# Altium PCB Turbo.PcbDoc (part 1 of 3) (continued)
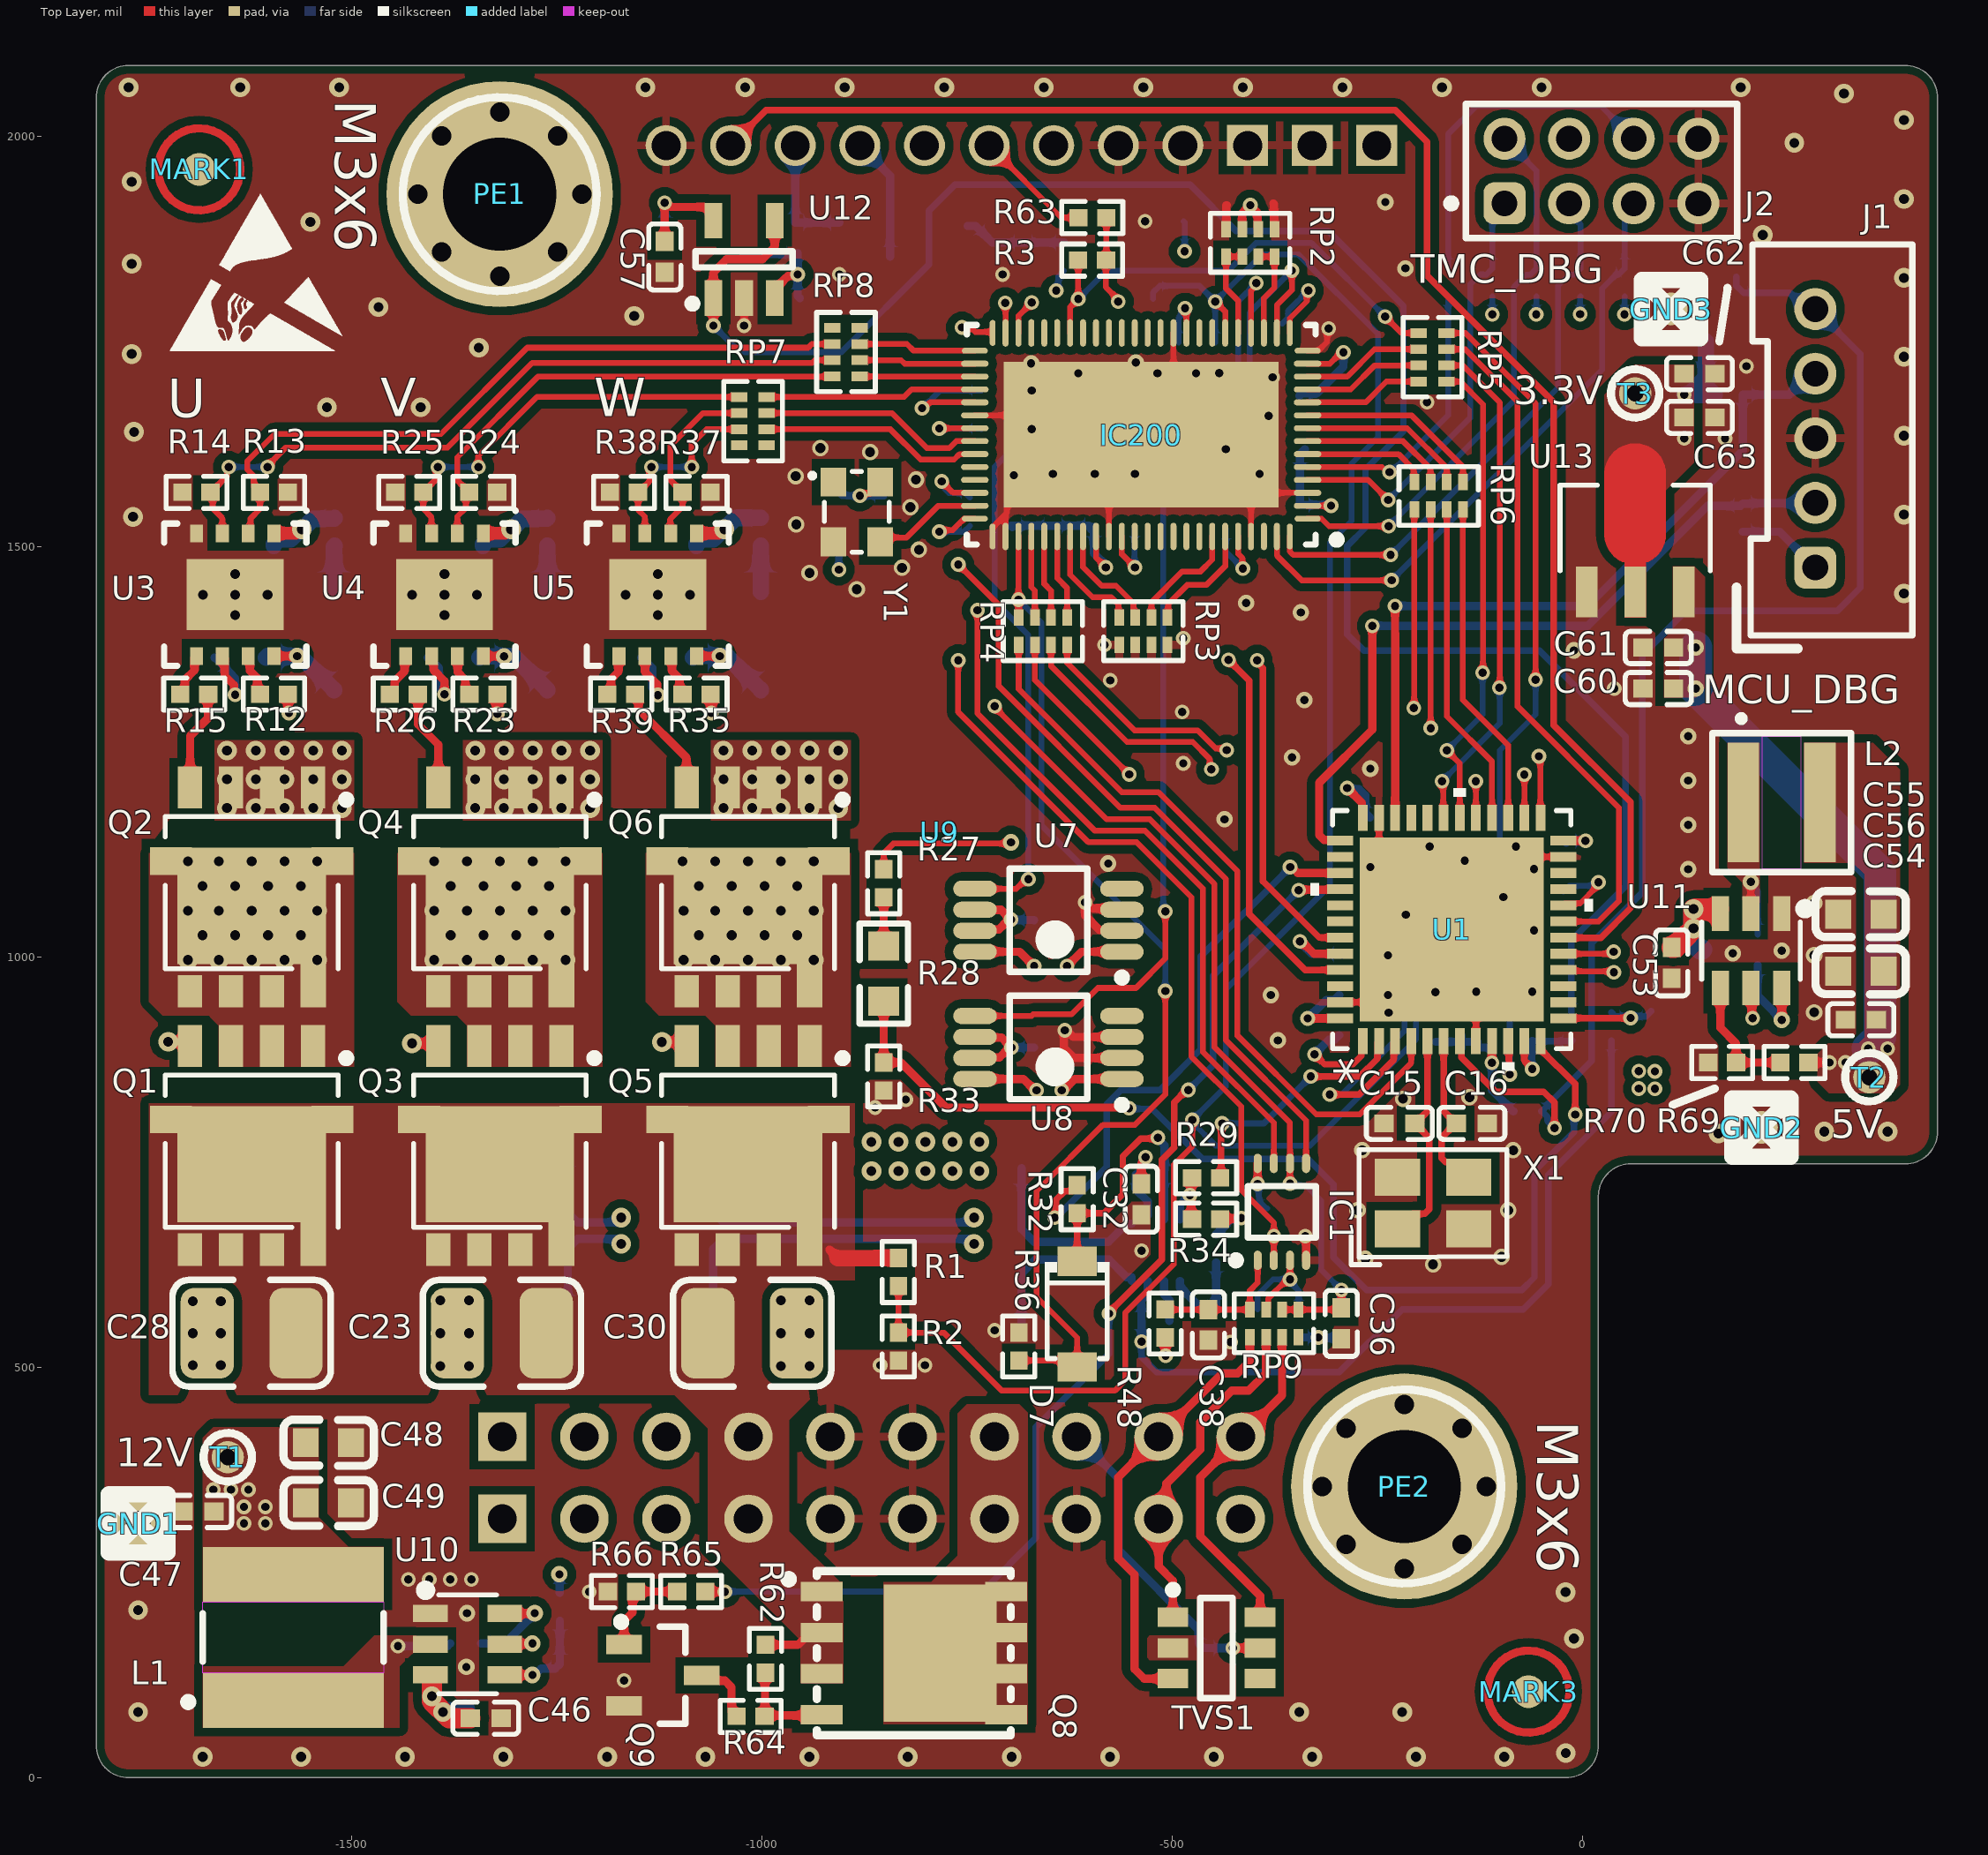
[diagram p0: Top Layer view]
## Design rules (kind name [scope] priority, off if disabled: settings)
BoardOutlineClearance BoardOutlineClearance_SWD [InComponent('J6')] p1: gap=0 ignorepadtopadclearanceinfootprint=FALSE
BoardOutlineClearance BoardOutlineClearance_Powerlayer [OnLayer('Power')] p2: gap=25 ignorepadtopadclearanceinfootprint=FALSE
BoardOutlineClearance BoardOutlineClearance_NORMAL [All] p3: gap=10 ignorepadtopadclearanceinfootprint=FALSE
Clearance Clearance_polygon [InPolygon] p1: gap=10 ignorepadtopadclearanceinfootprint=TRUE
Clearance [All] p2: gap=7 ignorepadtopadclearanceinfootprint=TRUE
ComponentClearance [All] p1: gap=0 collisioncheckmode=3 verticalgap=100000 showdistances=FALSE
DiffPairsRouting [All] p1: maxlimit=10 minlimit=8 mostfreqgap=10 toplayer_minwidth=7 toplayer_maxwidth=20 toplayer_prefwidth=12 midlayer1_minwidth=7 midlayer1_maxwidth=20 midlayer1_prefwidth=12 midlayer2_minwidth=7 midlayer2_maxwidth=20 midlayer2_prefwidth=12 bottomlayer_minwidth=7 bottomlayer_maxwidth=20 bottomlayer_prefwidth=12 maxuncoupledlength=500
HoleSize [All] p1: absolutevalues=TRUE maxlimit=1000 minlimit=1 maxpercent=80.000 minpercent=20.000
HoleToHoleClearance [All] p1: gap=8 allowstackedmicrovias=TRUE
MinimumSolderMaskSliver [All] p1: minsoldermaskwidth=0
PasteMaskExpansion [All] p1: expansion=0 thpadusetoppaste=TRUE thpadusebottompaste=TRUE
PolygonConnect [All] p1: connectstyle=Direct reliefconductorwidth=10 reliefentries=4 polygonreliefangle="90 Angle" airgapwidth=10
RoutingVias [All] p1: holewidth=10 width=20 viastyle="Through Hole" minholewidth=7 minwidth=10 maxholewidth=1000 maxwidth=1000
SilkToSilkClearance [All] p1: silktosilkclearance=0
SilkToSolderMaskClearance [IsPad] p1: minsilkscreentomaskgap=0 clearancetoexposedcopper=TRUE
SolderMaskExpansion [All] p1: expansion=4 istentingtop=FALSE
SupplyNets "Schematic Supply Nets_6" [InNet('3V3')] p1: voltage=0.000
SupplyNets "Schematic Supply Nets_5" [InNet('GND')] p2: voltage=0.000
SupplyNets "Schematic Supply Nets_4" [InNet('24V_Power')] p3: voltage=0.000
SupplyNets "Schematic Supply Nets_3" [InNet('+VCC_CORE')] p4: voltage=0.000
SupplyNets "Schematic Supply Nets_2" [InNet('5V')] p5: voltage=0.000
SupplyNets "Schematic Supply Nets_1" [InNet('24V_TRUBO')] p6: voltage=0.000
SupplyNets "Schematic Supply Nets" [InNet('12V')] p7: voltage=0.000
Width Width_TMC [InComponent('IC200')] p1: maxlimit=10 minlimit=6 preferedwidth=7
Width Width_7milPAD [InComponent('IC1')] p2: maxlimit=10 minlimit=6 preferedwidth=7
Width [All] p3: maxlimit=100 minlimit=6 preferedwidth=10
22 further rules are at their usual default settings.

## Classes and differential pairs
component class #NIP涡轮驱动板-Power: C44 C45 C46 C47 C48 C49 C51 C52 C53 C54 C55 C56 C57 C58 C59 C60 C61 C62 C63 D9 GND1 GND2 GND3 L1 L2 Q8 Q9 R62 R63 R64 R65 R66 R67 R68 R69 R70 R71 R72 R73 T1 T2 T3 U9 U10 U11 U12 U13
component class #NIP涡轮驱动板-Sense: C34 C35 C36 C37 C38 C39 C40 C41 C42 IC1 Q7 R46 R47 R48 R49 R51 R54 R55 R56 R57 R58 RP9 TVS1 U7 U8
component class #NIP涡轮驱动板-DRIVE: C23 C24 C25 C26 C27 C28 C29 C30 C31 C32 C33 D2 D3 D4 D5 D6 D7 D8 Q1 Q2 Q3 Q4 Q5 Q6 R11 R12 R13 R14 R15 R20 R23 R24 R25 R26 R27 R28 R29 R30 R31 R32 R33 R34 R35 R36 R37 R38 R39 R40 R41 R42 R43 R44 R45 RP7 RP8 U3 U4 U5 U6
component class #NIP涡轮驱动板-MCUnew: C15 C16 C17 C18 C19 C20 C21 C22 J1 R6 R7 R8 R9 R10 RP4 RP5 RP6 U1 U2 X1
component class #NIP涡轮驱动板-TMC: C1 C2 C3 C4 C5 C6 C7 C8 C9 C10 C11 C12 C13 C14 C43 D1 FB1 IC200 J2 MARK1 MARK2 MARK3 MARK4 PE1 PE2 R1 R2 R3 R4 R5 R16 R17 R18 R19 R21 RP2 RP3 Y1
differential pair W_Y1_PHASE: +W_Y1_PHASE_P -W_Y1_PHASE_N
differential pair V_X2_PHASE: +V_X2_PHASE_P -V_X2_PHASE_N

## Components (designator, comment, footprint, x,y, rotation, side; value= is the part's Value field where it differs from the comment)
C1 "10nF ±10% 50V X7R" C0402 -444.25,1711.46 r90 bottom
C2 "100nF ±10% 50V X7R" C0402 -694.63,1561.53 r270 bottom
C3 "470nF ±10% 10V X7R" C0402 -645,1561.53 r270 bottom
C4 "4.7uF ±10% 10V X5R" C0402 -492.09,1711.46 r90 bottom
C5 "4.7uF ±10% 10V X5R" C0402 -381.41,1613.14 r0 bottom
C6 "100nF ±10% 50V X7R" C0402 -382.16,1552.3 r0 bottom
C7 "100nF ±10% 50V X7R" C0402 -382.16,1683.96 r0 bottom
C8 "100nF ±10% 50V X7R" C0402 -694.63,1690.44 r180 bottom
C9 "100nF ±10% 50V X7R" C0402 -595.37,1561.53 r270 bottom
C10 "100nF ±10% 50V X7R" C0402 -434.25,1559.11 r270 bottom
C11 "100nF ±10% 50V X7R" C0402 -365.74,1734.63 r90 bottom
C12 "100nF ±10% 50V X7R" C0402 -694.63,1643.53 r180 bottom
C13 "100nF ±10% 50V X7R" C0402 -545.74,1561.53 r270 bottom
C14 "100nF ±10% 50V X7R" C0402 -851.3,1524.12 r90 bottom
C15 "10pF ±10% 50V X7R" C0402 -204.21,797.52 r180 top
C16 "10pF ±10% 50V X7R" C0402 -153.27,797.52 r0 top
C17 "100nF ±10% 50V X7R" C0402 -296.18,904.92 r0 bottom
C18 "100nF ±10% 50V X7R" C0402 -19.54,1139.69 r180 bottom
C19 "100nF ±10% 50V X7R" C0402 -258.78,1132.82 r90 bottom
C20 "100nF ±10% 50V X7R" C0402 -258.78,953.83 r180 bottom
C21 "100nF ±10% 50V X7R" C0402 -131.79,896.73 r90 bottom
C22 "1uF ±10% 6.3V X7R" C0402 -178.45,934.13 r270 bottom
C23 "4.7uF ±10% 50V X7R" C-1210 -1316.65,541.61 r0 top
C24 "1uF ±10% 25V X7R" C0603 -1622.26,1501.19 r180 bottom
C25 "1uF ±10% 25V X7R" C0603 -1367.26,1501.19 r180 bottom
C26 "1uF ±10% 25V X7R" C0603 -1107.26,1501.19 r180 bottom
C27 "100nF ±10% 50V X7R" C-0603 -1635.58,1364.92 r0 bottom
C28 "4.7uF ±10% 50V X7R" C-1210 -1621.65,541.61 r0 top
C29 "100nF ±10% 50V X7R" C-0603 -1375.58,1364.92 r0 bottom
C30 "4.7uF ±10% 50V X7R" C-1210 -1011.65,541.61 r180 top
C31 "100nF ±10% 50V X7R" C-0603 -1115.58,1364.92 r0 bottom
C32 "100nF ±10% 50V X7R" C0402 -537.41,723.62 r270 top
C33 "100nF ±10% 50V X7R" C0402 83.98,896.73 r90 bottom
C34 "100nF ±10% 50V X7R" C0402 -668.06,1044.92 r0 bottom
C35 "2.2nF ±5% 50V X7R" C0402 -567.92,1659.44 r270 bottom
C36 "100pF ±5% 50V C0G" C0402 -293.81,534.97 r90 top
C37 "100pF ±5% 50V C0G" C0402 -395.58,536.58 r90 bottom
C38 "100pF ±5% 50V C0G" C0402 -455.58,533.25 r90 top
C39 "100nF ±10% 50V X7R" C0402 -346.41,693.63 r180 bottom
C40 "100nF ±10% 50V X7R" C0402 -460.58,158.11 r180 bottom
C41 "100nF ±10% 50V X7R" C0402 -668.06,889.92 r0 bottom
C42 "2.2nF ±5% 50V X7R" C0402 -460.74,1659.44 r270 bottom
C43 "10nF ±10% 50V X7R" C0402 -82.41,1032.5 r270 bottom
C44 "100nF ±10% 50V X7R" C0402 -1379.49,163.82 r0 bottom
C45 "2.2uF ±10% 50V X5R" C0603 -1334.33,83.1 r180 bottom
C46 "100nF ±10% 50V X7R" C0402 -1317.68,72.66 r180 top
C47 "100nF ±10% 50V X7R" C0402 -1705,324.46 r0 top
C48 "10uF ±20% 25V X5R" C0603 -1528.06,408.35 r180 top
C49 "10uF ±20% 25V X5R" C0603 -1528.06,335 r180 top
C51 "100nF ±10% 50V X7R" C0402 213.8,1027.86 r270 bottom
C52 "2.2uF ±10% 50V X5R" C0603 146.05,981.5 r90 bottom
C53 "100nF ±10% 50V X7R" C0402 108.98,974.32 r90 top
C54 "100nF ±10% 50V X7R" C0402 320.85,923.59 r0 top
C55 "10uF ±20% 25V X5R" C0603 339.62,1052.21 r0 top
C56 "10uF ±20% 25V X5R" C0603 339.62,982.71 r0 top
C57 "100nF ±10% 50V X7R" C0402 -1118.27,1834.53 r90 top
C58 "1nF ±10% 50V X7R" C0402 -916.03,1803.03 r180 bottom
C59 "1nF ±10% 50V X7R" C0402 -61.85,934.13 r270 bottom
C60 "10uF ±20% 10V X5R" C0402 73.98,1327.24 r0 top
C61 "100nF ±10% 50V X7R" C0402 73.98,1377.24 r0 top
C62 "100nF ±10% 50V X7R" C0402 161.55,1710.98 r180 top
C63 "10uF ±20% 10V X5R" C0402 161.55,1657.83 r180 top
D1 "BAT54S" SOT23-3 -523.26,1849.33 r270 bottom
D2 "SKL110" SODFL370X140-2N -1521.3,1384.92 r90 bottom value="1A, 100V"
D3 "BZX384-B13" SOD2512X100N -1640.12,896.52 r0 bottom value="13V, 0.3W"
D4 "SKL110" SODFL370X140-2N -1261.3,1384.92 r90 bottom value="1A, 100V"
D5 "BZX384-B13" SOD2512X100N -1340.12,896.52 r0 bottom value="13V, 0.3W"
D6 "SKL110" SODFL370X140-2N -1001.3,1384.92 r90 bottom value="1A, 100V"
D7 "SS14" SOD-123_L2.7-W1.6-LS3.7-RD -615.58,564.92 r270 top
D8 "BZX384-B13" SOD2512X100N -1035.12,896.52 r0 bottom value="13V, 0.3W"
D9 "BAT54S" SOT23-3 -1071.02,1852.24 r0 bottom
FB1 "30R@100MHz 3A" FB-0603 -916.02,1542.24 r270 bottom
GND1 "test_point" TP-SIP-1-GND#1 -1760,310 r0 top
GND2 "test_point" TP-SIP-1-GND#2 218.38,792.4 r90 top
GND3 "test_point" TP-SIP-1-GND#2 108.29,1789.72 r90 top
IC1 "SN74LVC3G17DCUR" TSSOP50P310X90-8L -366.06,689.56 r90 top
IC200 "TMC4671" QFN40P1050X650X90_HS-77N -537.54,1636.59 r180 top
J1 "JST_PH 2.00-5" "JST_PH 2.00-5" 283.98,1474.76 r90 top
J2 "62000821121" 62000821121 23.35,1957.87 r0 top
L1 "10uH, 3.3A" WE-MAPI_5030 -1571.02,171 r90 top
L2 "15uH, 1.9A" WE-MAPI_4020 243.02,1188.28 r0 top
MARK1 "MARK_POINT" MARK_POINT -1685.58,1959.92 r90 top
MARK2 "MARK_POINT" MARK_POINT -1685.58,1959.92 r90 bottom
MARK3 "MARK_POINT" MARK_POINT -65.58,104.92 r90 top
MARK4 "MARK_POINT" MARK_POINT -65.58,104.92 r90 bottom
PE1 "" 固定孔-M3 -1319.37,1929.77 r0 top
PE2 "" 固定孔-M3 -217.01,354.97 r0 top
Q1 "BSC027N04LSG" PG-TDSON-8 -1621.65,770.55 r270 top
Q2 "BSC027N04LSG" PG-TDSON-8 -1621.65,1085.55 r270 top
Q3 "BSC027N04LSG" PG-TDSON-8 -1319.15,770.55 r270 top
Q4 "BSC027N04LSG" PG-TDSON-8 -1319.15,1085.55 r270 top
Q5 "BSC027N04LSG" PG-TDSON-8 -1016.65,770.55 r270 top
Q6 "BSC027N04LSG" PG-TDSON-8 -1016.65,1085.55 r270 top
Q7 "AO3410" SOT23-3 -796.47,1853.7 r180 bottom
Q8 "SI7463ADP-T1-GE3" POWERPAK-SO-8_L6.1-W5.1-P1.27-BL-EP -814.58,151.88 r270 top
Q9 "AO3410" SOT23-3 -1120.43,124.92 r0 top
R1 "100KΩ ±1% 62.5mW" R0402#1 -833.41,616.23 r90 top
R2 "1.5KΩ ±1% 62.5mW" R0402#1 -833.41,525.44 r90 top
R3 "N/C" R0402#1 -597.38,1849.33 r0 top
R4 "51Ω ±1% 62.5mW" R0402#2 -163.52,1822.24 r270 bottom
R5 "10KΩ ±1% 62.5mW" R0402#1 -746.28,1542.83 r90 bottom
R6 "10KΩ ±1% 62.5mW" R0402#1 -39.9,1079.69 r180 bottom
R7 "10KΩ ±1% 62.5mW" R0402#1 178.59,1685.39 r180 bottom
R8 "10KΩ ±1% 62.5mW" R0402#1 195.63,1535.41 r270 bottom
R9 "10KΩ ±1% 62.5mW" R0402#1 -275.27,1002.74 r0 bottom
R10 "5.1KΩ ±1% 62.5mW" R0402#1 -66.85,812.24 r180 bottom
R11 "2.2Ω ±1% 62.5mW" R0402#2 -1520.58,1518.23 r270 bottom
R12 "2.2Ω ±1% 62.5mW" R0402#2 -1594.41,1320.31 r0 top
R13 "10KΩ ±1% 62.5mW" R0402#2 -1594.41,1566.4 r180 top
R14 "10KΩ ±1% 62.5mW" R0402#2 -1688.9,1566.4 r0 top
R15 "2.2Ω ±1% 62.5mW" R0402#2 -1691.65,1320.31 r0 top
R16 "1.5KΩ ±1% 62.5mW" R0402#2 -131.79,1013.26 r270 bottom
R17 "10KΩ ±1% 62.5mW" R0402#2 -109.77,1822.24 r270 bottom
R18 "10KΩ ±1% 62.5mW" R0402#2 -56.02,1822.24 r270 bottom
R19 "10KΩ ±1% 62.5mW" R0402#2 -2.27,1822.24 r270 bottom
R20 "2.2Ω ±1% 62.5mW" R0402#2 -1261.3,1518.23 r270 bottom
R21 "10KΩ ±1% 62.5mW" R0402#2 51.48,1822.24 r270 bottom
R23 "2.2Ω ±1% 62.5mW" R0402#2 -1339.15,1320.31 r0 top
R24 "10KΩ ±1% 62.5mW" R0402#2 -1339.41,1566.4 r180 top
R25 "10KΩ ±1% 62.5mW" R0402#2 -1429.53,1566.4 r0 top
R26 "2.2Ω ±1% 62.5mW" R0402#2 -1436.3,1320.31 r0 top
R27 "3.3KΩ ±1% 62.5mW" R0402#1 -851.3,1089.92 r90 top
R28 "NTCS0603E3103FHT" R-0603 -851.3,979.92 r90 top
R29 "10KΩ ±1% 62.5mW" R0402#1 -458.4,680.71 r180 top
R30 "10KΩ ±1% 62.5mW" R0402#2 -526.13,734.88 r0 bottom
R31 "2.2Ω ±1% 62.5mW" R0402#2 -1001.3,1518.23 r270 bottom
R32 "100Ω ±1% 62.5mW" R0402#1 -615.58,704.92 r90 top
R33 "10KΩ ±1% 62.5mW" R0402#1 -851.3,854.53 r90 top
R34 "100Ω ±1% 62.5mW" R0402#1 -458.4,731.04 r0 top
R35 "2.2Ω ±1% 62.5mW" R0402#2 -1079.41,1320.31 r0 top
R36 "100KΩ ±1% 62.5mW" R0402#1 -686.67,525.44 r90 top
R37 "10KΩ ±1% 62.5mW" R0402#2 -1079.41,1566.4 r180 top
R38 "10KΩ ±1% 62.5mW" R0402#2 -1167.79,1566.4 r0 top
R39 "2.2Ω ±1% 62.5mW" R0402#2 -1171.3,1320.31 r0 top
R40 "4mΩ ±1% 3W" R-2512_4PIN -843.97,644.38 r90 bottom
R41 "4mΩ ±1% 3W" R-2512_4PIN -682.42,644.38 r90 bottom
R42 "1KΩ ±1% 62.5mW" R0402#1 35.37,915.43 r90 bottom
R43 "62KΩ ±1% 62.5mW" R0402#1 -520.23,556.75 r180 bottom
R44 "20KΩ ±1% 62.5mW" R0402#1 -446.3,644.92 r90 bottom
R45 "30KΩ ±1% 62.5mW" R0402#1 -446.3,554.92 r90 bottom
R46 "1KΩ ±1% 62.5mW" R0402#2 -293.81,556.75 r270 bottom
R47 "1KΩ ±1% 62.5mW" R0402#2 -344.6,553.62 r270 bottom
R48 "1KΩ ±1% 62.5mW" R0402#2 -508.2,553.62 r270 top
R49 "1kΩ ±1% 62.5mW" R0402#2 -621.5,1640.74 r90 bottom
R51 "7.5mΩ ±1% 2W" R-2512_4PIN -1256.65,666.61 r90 bottom
R54 "1kΩ ±1% 62.5mW" R0402#2 -510.74,1640.74 r90 bottom
R55 "7.5mΩ ±1% 2W" R-2512_4PIN -1076.65,666.61 r90 bottom
R56 "7.5mΩ ±1% 2W" R-2512_4PIN -1520.58,666.62 r90 bottom
R57 "1kΩ ±1% 62.5mW" R0402#1 -631.47,1853.7 r270 bottom
R58 "10KΩ ±1% 62.5mW" R0402#1 -681.47,1853.7 r270 bottom
R62 "10kΩ ±1% 62.5mW" R0402#2 -995.58,144.92 r90 top
R63 "100Ω ±1% 62.5mW" R0402#1 -597.08,1901.07 r180 top
R64 "10kΩ ±1% 62.5mW" R0402#2 -1013.62,74.92 r180 top
R65 "1KΩ ±1% 62.5mW" R0402#2 -1086.02,226.88 r180 top
R66 "10kΩ ±1% 62.5mW" R0402#2 -1170.43,226.88 r180 top
R67 "100kΩ ±1% 62.5mW" R0402#1 -1246.02,208.13 r90 bottom
R68 "5.23kΩ ±1% 62.5mW" R0402#1 -1246.02,122.2 r270 bottom
R69 "100kΩ ±1% 62.5mW" R0402#2 258.55,871.45 r0 top
R70 "13.7kΩ ±1% 62.5mW" R0402#2 170.51,871.45 r180 top
R71 "100Ω ±1% 62.5mW" R0402#1 -959.14,1877.84 r270 bottom
R72 "3.3kΩ ±1% 62.5mW" R0402#1 -13.24,915.43 r90 bottom
R73 "1MΩ ±1% 62.5mW" R0402#1 -905.4,1877.84 r90 bottom
RP2 "10KΩ ±1% 62.5mW" RES-ARRAY-SMD_0402-8P-L2.0-W1.0-BL -404.63,1870.36 r0 top
RP3 "10KΩ ±1% 62.5mW" RES-ARRAY-SMD_0402-8P-L2.0-W1.0-BL -534.92,1397.18 r180 top
RP4 "330Ω ±1% 62.5mW" RES-ARRAY-SMD_0402-8P-L2.0-W1.0-BL -657.29,1397.18 r180 top
RP5 "330Ω ±1% 62.5mW" RES-ARRAY-SMD_0402-8P-L2.0-W1.0-BL -182.33,1730.88 r270 top
RP6 "330Ω ±1% 62.5mW" RES-ARRAY-SMD_0402-8P-L2.0-W1.0-BL -174.93,1562.11 r180 top
RP7 "100Ω ±1% 62.5mW" RES-ARRAY-SMD_0402-8P-L2.0-W1.0-BL -1010.71,1653.07 r270 top
RP8 "100Ω ±1% 62.5mW" RES-ARRAY-SMD_0402-8P-L2.0-W1.0-BL -897.32,1737.24 r270 top
RP9 "22Ω ±1% 62.5mW" RES-ARRAY-SMD_0402-8P-L2.0-W1.0-BL -375.58,553.62 r0 top
T1 "test_point" TP-SIP-1-Small -1650.79,390.63 r270 top
T2 "test_point" TP-SIP-1-Small 349.79,853.67 r270 top
T3 "test_point" TP-SIP-1-Small 64.44,1686.94 r180 top
TVS1 "SRV05-4.TCT" SOT95P280X145-6N -445.73,158.11 r0 top
U1 "STM32F103CBU6" UFQFPN-48_7X7X0P55MM -159.13,1033.59 r90 top
U2 "CAT803STBI−GT3" SOT-23-3_L2.9-W1.3-P1.90-LS2.4-BR 150.42,1789.72 r90 bottom
U3 "LM5109BSD/NOPB" PSON80P400X80_HS-9N -1641.65,1441.61 r270 top value="108V 1A"
U4 "LM5109BSD/NOPB" PSON80P400X80_HS-9N -1386.65,1441.61 r270 top value="108V 1A"
U5 "LM5109BSD/NOPB" PSON80P400X80_HS-9N -1126.65,1441.61 r270 top value="108V 1A"
U6 "INA381A3IDGSR" WSON-8_L2.0-W2.0-P0.50-BL-EP0.9 -519.73,642.87 r0 bottom
U7 "AD8418ABRMZ" TSOP65P490X95-8N -650.58,1044.92 r180 top value=CMVR=70V
U8 "AD8418ABRMZ" TSOP65P490X95-8N -650.58,889.92 r180 top value=CMVR=70V
U9 "mus50/5/4q" MUS50/5/4Q -1316.2,315.6 r90 top locked
U10 "LMR51430YFDDCR" SOT-23-6_L2.9-W1.6-P0.95-LS2.9-BL -1358.47,162.66 r270 top
U11 "LMR51430YFDDCR" SOT-23-6_L2.9-W1.6-P0.95-LS2.9-BL 205.62,1007.71 r180 top
U12 "TLV333IDBVR" SOT23-5 -1021.54,1850.28 r90 top
U13 "1117-3.3" SOT-89-3_L4.5-W2.5-P1.50-LS4.0-BR 5.45,1445.05 r270 top
X1 "8MHz ±10ppm_10pF" CRYSTAL_3225 -181.78,700.26 r0 top
Y1 "25.000MHz ±10ppm_10pF" OSC-SMD_4P-L2.5-W2.0-BL-1 -884.19,1542.46 r270 top value=100MHz

## Footprints (in the part's own frame and the unit in brackets; to place one, negate y for a bottom-side part, rotate by r counter-clockwise, add the part's x,y. Pads: shape width x height; smd on the part's side, far side on the other; paste and mask are expansions set on the pad)
62000821121 [mm] "2.00 mm THT Dual Pin Header, 8p"
  rrect50% 1.3x1.3 hole 0.8: 1(-3,-1)
  round 1.3 hole 0.8: 2(-3,1) 3(-1,-1) 4(-1,1) 5(1,-1) 6(1,1) 7(3,-1) 8(3,1)
  silkscreen extent -4.77,-2.07 4.2,2.07, body extent -4,-2 4,2, height 6.05
C0402 [mm]
  rect 0.6x0.55 smd paste-100 mask+0.051: 1(0,0) 2(0.95,0)
  silkscreen extent -0.55,-0.5 1.5,0.5, body extent -0.02,-0.25 0.98,0.25, height 0.5
C0603 [mm]
  rect 0.8x0.9 smd mask+0.051: 1(-0.7,0) 2(0.7,0)
  silkscreen extent -1.41,-0.71 1.39,0.72, body extent -0.8,-0.4 0.8,0.4, height 0.8
C-0603 [mm] "Chip Capacitor, 2-Leads, Body 1.60x0.80mm, IPC Medium Density"
  rect 0.95x0.9 smd: 1(-0.8,0) 2(0.8,0)
  silkscreen extent -1.55,-0.7 1.55,0.7, body extent -0.85,-0.45 0.85,0.45, height 0.5
C-1210 [mm] "Chip Capacitor, 2-Leads, Body 3.20x2.50mm, IPC Medium Density"
  rrect50% 1.65x2.8 smd: 1(-1.375,0) 2(1.375,0)
  silkscreen extent -2.45,-1.65 2.45,1.65, body extent -1.8,-1.4 1.8,1.4, height 2
CRYSTAL_3225 [mm] "4P-L3.2-W2.5-BL-2"
  rect 1.4x1.15 smd paste+0 mask+0.051: 1(-1.1,-0.8) 3(1.1,0.8) G(-1.1,0.8) G(1.1,-0.8)
  silkscreen extent -2.54,-1.9 2.29,1.65, body extent -1.6,-1.26 1.6,1.24, height 0.81
FB-0603 [mm] "Chip Resistor, 2-Leads, Body 1.60x0.80mm, IPC Medium Density"
  rect 0.9x0.95 smd: 1(-0.85,0) 2(0.85,0)
  silkscreen extent -1.55,-0.75 1.55,0.75, body extent -0.85,-0.45 0.85,0.45, height 0.45
"JST_PH 2.00-5" [mm]
  rrect50% 1.3x1.3 hole 0.8: 1(0,0)
  round 1.3 hole 0.8: 2(2,0) 3(4,0) 4(6,0) 5(8,0)
  silkscreen extent -2.51,-3 10,2.44, body extent -1.95,-2.8 9.95,1.7, height 6